# Altium PCB PCB_EPS_2.PcbDoc (part 1 of 3) (continued)
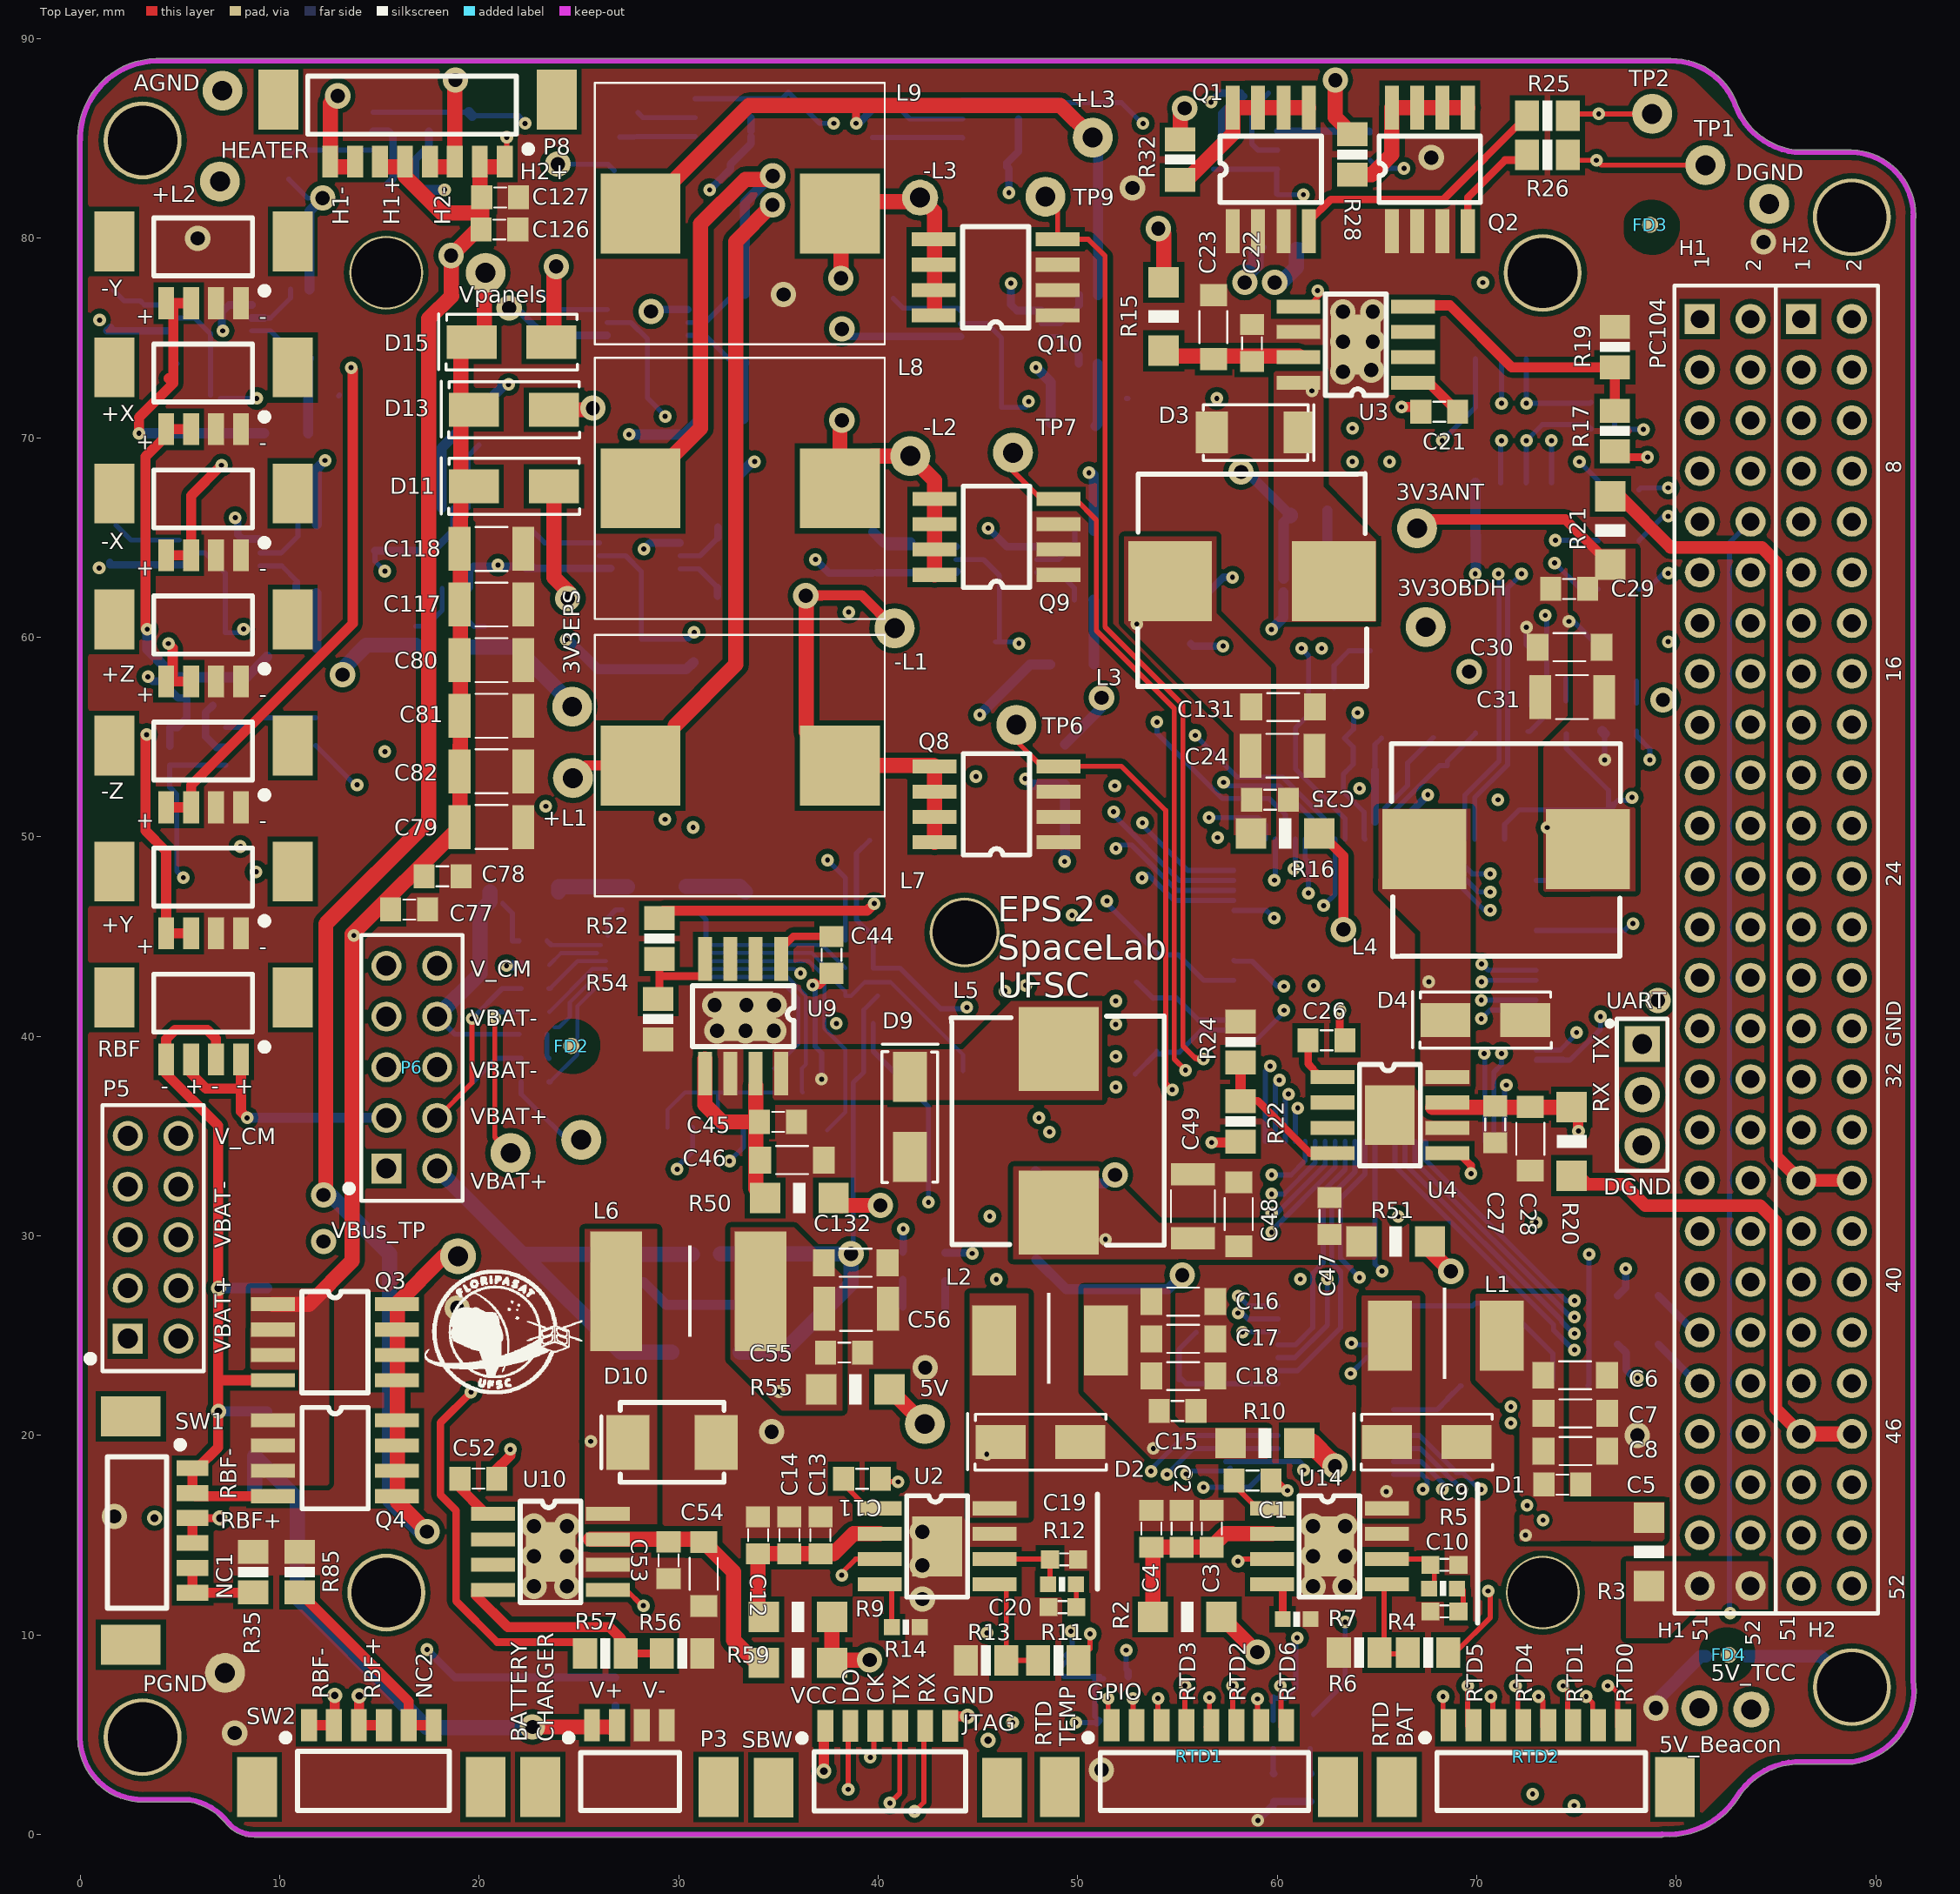
[diagram p0: Top Layer view]
## Components (designator, comment, footprint, x,y, rotation, side; value= is the part's Value field where it differs from the comment) (continued)
R42 "150R" 0603 39.274,39.256 r0 bottom
R43 "1k" 0603 22.795,43.568 r0 bottom
R44 "150R" 0603 39.274,43.426 r0 bottom
R45 "300K" 0603 64.666,84.593 r270 bottom
R46 "0R" 1206 35.046,47.236 r0 bottom
R47 "0R" 1206 22.256,47.236 r0 bottom
R50 "0R" 1206 36.046,31.896 r0 top
R51 "0R" 1206 65.936,29.726 r180 top
R52 "10k" 0805 29.026,44.906 r90 top
R53 "DNP" 0603 43.354,28.452 r90 bottom
R54 "5K9" 0805 28.966,40.866 r90 top
R55 "0R" 1206 38.856,22.306 r180 top
R56 "0R" 1206 35.966,8.606 r0 top
R57 "10k" 0805 26.316,9.076 r180 top
R58 "DNP" 0603 41.226,28.503 r270 bottom
R59 "3.24k 1/8W" 0805 30.166,9.076 r180 top
R60 "1k" 0603 78.076,55.876 r270 bottom
R61 "DNP" 0603 74.479,55.876 r270 bottom
R62 "47k" 0603 51.826,7.916 r0 bottom
R63 "4K7" 0603 39.274,40.646 r0 bottom
R64 "4K7" 0603 39.274,44.816 r0 bottom
R65 "DNP" 0603 76.209,70.45 r180 bottom
R66 "DNP" 0603 76.209,71.774 r180 bottom
R67 "3k3" 0805 5.666,73.496 r0 bottom
R68 "3k3" 0805 6.296,61.506 r0 bottom
R69 "93K1" 0603 10.446,83.656 r270 bottom
R70 "300K" 0603 11.805,55.27 r270 bottom
R71 "100K" 0603 11.761,84.936 r270 bottom
R72 "3k3" 0805 27.356,73.236 r0 bottom
R73 "100K" 0603 10.48,55.27 r90 bottom
R74 "93K1" 0603 26.766,84.096 r270 bottom
R75 "3k3" 0805 26.976,61.266 r0 bottom
R76 "100K" 0603 27.946,85.606 r270 bottom
R79 "3k3" 0805 45.156,73.326 r0 bottom
R81 "93K1" 0603 39.707,85.755 r90 bottom
R82 "100K" 0603 41.102,85.755 r270 bottom
R83 "3k3" 0805 45.056,61.476 r0 bottom
R85 "100K 1/10W" 0805 10.99,13.154 r90 top
R86 "100K" 0603 63.341,84.593 r90 bottom
R87 "0R" 0805 78.076,27.008 r180 bottom
R88 "0R" 0805 78.076,24.568 r180 bottom
R89 "0R" 0805 77.107,67.4 r180 bottom
R90 "0R" 0805 77.107,64.85 r180 bottom
R91 "0R" 0805 77.107,62.41 r180 bottom
R93 "0R" 1206 31.36,24.17 r0 bottom
R_ESD "1.2M" 0805 82.49,8.93 r0 bottom
RBF "Header 4_PicoBlade" "HDR4 PicoBlade" 8.056,38.846 r180 top
RSense1 "0.01R/0.5W" "1206 - ohmite" 28.886,46.816 r0 bottom
Rsense3 "0.075R/0.5W" "1206 - ohmite" 18.51,60.09 r0 bottom
RTD1 "Header 8_PicoBlade" "HDR8 PicoBlade" 51.696,5.475 r0 top
RTD2 "Header 8_PicoBlade" "HDR8 PicoBlade" 68.576,5.475 r0 top
SBW "Header 6H_PicoBlade" "HDR6 PicoBlade" 37.35,5.45 r0 top
SW1 "Header 6H_PicoBlade" "HDR6 PicoBlade" 5.63,18.36 r270 top
SW2 "Header 6H_PicoBlade" "HDR6 PicoBlade" 11.466,5.475 r0 top
SYSTEM_ON "RED" 0603-LED 78.066,58.696 r90 bottom
TP1 "TEST_POINT" TEST_POINT#1 81.456,83.666 r0 top
TP2 "TEST_POINT" TEST_POINT#1 78.786,86.236 r0 top
TP6 "TEST_POINT" TEST_POINT#1 46.916,55.616 r0 top
TP7 "TEST_POINT" TEST_POINT#1 46.746,69.256 r0 top
TP9 "TEST_POINT" TEST_POINT#1 48.376,82.086 r0 top
U2 "TPS54540QDDARQ1" "SO8 Power PAD" 40.076,16.346 r0 top
U3 "TPS5410QDRQ1" "SO8 Power PAD" 66.806,72.766 r180 top
U4 "TPS5420QDRQ1" "SO8 Power PAD" 62.767,37.956 r0 top
U5 "ADS1248IPW" TSSOP28 65.836,26.496 r180 bottom
U6 "FDS6898AZ" SOIC8 29.426,35.426 r270 bottom
U7 "DS2775G+" TDFN-14-EP_3x5 26.346,42.576 r0 bottom
U9 "TPS5420QDRQ1" "SO8 Power PAD" 35.126,43.886 r270 top
U10 "TPS5430QDDARQ1" "SO8 Power PAD" 20.696,16.066 r0 top
U12 "MSP430F6659IPZR" PZ0100A_N 65.396,42.316 r270 bottom value=Value
U13 "REF5025AQDRQ1" SOIC-8 60.936,59.866 r270 bottom
U14 "TPS54540QDDARQ1" "SO8 Power PAD" 59.736,16.346 r0 top
U15 "MAX9934TAUA+" MSOP-8 6.57,76.334 r0 bottom
U16 "MAX9934TAUA+" MSOP-8 6.982,64.554 r0 bottom
U17 "TLV341AIDBVR" "SOT-23 6L" 16.076,85.366 r90 bottom
U18 "MAX9934TAUA+" MSOP-8 28.43,76.104 r0 bottom
U19 "TLV341AIDBVR" "SOT-23 6L" 5.886,54.486 r270 bottom
U20 "MAX9934TAUA+" MSOP-8 28.04,64.414 r0 bottom
U21 "TLV341AIDBVR" "SOT-23 6L" 32.216,86.047 r90 bottom
U22 "MAX9934TAUA+" MSOP-8 46.141,76.051 r0 bottom
U24 "TLV341AIDBVR" "SOT-23 6L" 45.627,85.98 r90 bottom
U25 "MAX9934TAUA+" MSOP-8 45.921,64.221 r0 bottom
U26 "TLV341AIDBVR" "SOT-23 6L" 58.616,84.416 r270 bottom
U27 "MAX9934TAUA+" MSOP-8 19.116,64.466 r270 bottom
U28 "TCA4311ADR" SOIC8 69.927,73.955 r270 bottom
UART "DNP" "HDR 1X3" 78.286,39.616 r270 top
VBus "DNP" 0603-LED 26.834,4.476 r270 bottom
VBus_TP "TEST_POINT" TEST_POINT#2 18.93,28.986 r90 top
Vpanels "TEST_POINT" TEST_POINT#1 20.316,78.266 r90 top
Y1 "32MHz 10ppm" XTAL_ABM8X 53.886,40.586 r135 bottom
Y2 "32.768kHz 12.5pF" "ABS06 0805" 67.526,53.576 r0 bottom

## Footprints (in the part's own frame and the unit in brackets; to place one, negate y for a bottom-side part, rotate by r counter-clockwise, add the part's x,y. Pads: shape width x height; smd on the part's side, far side on the other; paste and mask are expansions set on the pad)
0603 [mm]
  rect 0.8x0.8 smd: 1(-0.699,0) 2(0.699,0)
  silkscreen extent -0.17,-0.38 0.16,0.38, body extent -1,-0.39 1,0.39, height 0.79
0603-LED [mil]
  rect 30x30 smd: 1(-27.5,0)
  rect 31.5x31.5 smd: 2(27.5,0)
  silkscreen extent -5,-14 6,14, body extent -32,-16 32,16, height 43
0805 [mil]
  rect 47.24x60 smd: 1(-40,0) 2(40,0)
  silkscreen extent -10,-30 10,30, body extent -50,-24 49,25, height 31
1206 [mil]
  rect 60x60 smd: 1(-67.5,0) 2(67.5,0)
  silkscreen extent -12,-30 13,30, body extent -79,-31 78,32, height 60
"1206 - ohmite" [mm]
  rect 1.5x0.57 smd: 1(-1.725,0.475) 2(1.725,0.5) 3(-1.725,-0.475) 4(1.725,-0.45)
  silkscreen extent -0.32,-0.76 0.32,0.76, body extent -2.01,-0.8 1.99,0.8, height 1.53
"ABS06 0805" [mm]
  rect 1x1.3 smd: 1(-1,0) 2(1,0)
  silkscreen extent -1.7,-0.85 1.7,0.85, body extent -1,-0.6 1,0.62, height 0.6
B3U-1000P [mm]
  rrect50% 1.4x1.7 smd: 1(0,0) 2(3.9,0)
  silkscreen extent -0.25,-1.2 4.38,1.28, body extent 0.05,-1.27 4.05,1.23, height 1.6
CC0603 [mm] "TDK mlccspec_commercial_general_midvoltage_en.pdf"
  rect 0.9x0.9 smd: 1(-0.7,0) 2(0.7,0)
  silkscreen extent -0.2,-0.3 0.2,0.3, body extent -1,-0.39 1,0.39, height 0.78
CC0805 [mm] "TDK mlccspec_commercial_general_midvoltage_en.pdf"
  rect 1.05x1.2 smd: 1(-0.925,0) 2(0.925,0)
  silkscreen extent -0.3,-0.5 0.3,0.5, body extent -1.25,-0.62 1.25,0.62, height 0.78
CC0805_Tantalum [mm] "TDK mlccspec_commercial_general_midvoltage_en.pdf"
  rect 1.2x1.2 smd: 1(-0.93,0) 2(0.93,0)
  silkscreen extent -1.73,-0.7 0.18,0.67, body extent -1.04,-0.59 1.21,0.76, height 1.35
CC1206 [mm] "TDK mlccspec_commercial_general_midvoltage_en.pdf"
  rect 1.1x1.35 smd: 1(-1.6,0) 2(1.6,0)
  silkscreen extent -0.8,-0.7 0.8,0.7, body extent -2,-0.8 2,0.8, height 1.51
cc1210 [mm] "TDK mlccspec_commercial_general_midvoltage_en.pdf"
  rect 1.1x2.2 smd: 1(-1.6,0) 2(1.6,0)
  silkscreen extent -0.8,-1.1 0.8,1.1, body extent -2,-1.24 2,1.24, height 1.69
CC1210 [mm] "TDK mlccspec_commercial_general_midvoltage_en.pdf"
  rect 1.1x2.2 smd: 1(-1.6,0) 2(1.6,0)
  silkscreen extent -0.8,-1.1 0.8,1.1, body extent -2,-1.24 2,1.24, height 1.69
cms06 [mm]
  rect 1.6x2.1 smd: 1(-2.2,0) 2(2.2,0)
  silkscreen extent -2.92,-1.4 2.62,1.4, body extent -2.35,-1.2 2.35,1.2, height 0.97
DO-214AA [mm]
  rect 2.159x2.743 smd: 1(-2.21,0) 2(2.21,0)
  silkscreen extent -3.56,-2 2.6,2, body extent -2.78,-1.9 2.72,2, height 2.45
DO-214AC [mm]
  rect 2.5x1.7 smd: 1(-2,0) 2(2,0)
  silkscreen extent -3.65,-1.4 3.3,1.43, body extent -2.62,-1.37 2.88,1.43, height 2.6
FEDU_0,8-TOP [mil]
  round 32 smd: 1(0,0)
"HDR4 PicoBlade" [mm]
  rect 2x3 smd: 0(-2.6,-3.1) 0(6.35,-3.1)
  rect 0.8x1.6 smd: 1(0,0) 2(1.25,0) 3(2.5,0) 4(3.75,0)
  silkscreen extent -1.26,-4.28 4.37,-0.54, body extent -3.15,-4.43 7,-0.23, height 4.7
"HDR6 PicoBlade" [mm]
  rect 2x3 smd: 0(-2.6,-3.1) 0(8.85,-3.1)
  rect 0.8x1.6 smd: 1(0,0) 2(1.25,0) 3(2.5,0) 4(3.75,0) 5(5,0) 6(6.25,0)
  silkscreen extent -1.26,-4.28 7.02,-0.54, body extent -3.12,-4.33 9.52,-0.13, height 4.7
"HDR8 PicoBlade" [mm]
  rect 2x3 smd: 0(-2.6,-3.1) 0(11.35,-3.1)
  rect 0.8x1.6 smd: 1(0,0) 2(1.25,0) 3(2.5,0) 4(3.75,0) 5(5,0) 6(6.25,0) 7(7.5,0) 8(8.75,0)
  silkscreen extent -1.26,-4.28 9.88,-0.54, body extent -3.23,-4.4 11.92,-0.2, height 4.7
"HDR 1X3" [mil]
  rect 70x70 hole 39: 1(0,0)
  round 70 hole 39: 2(100,0) 3(200,0)
  silkscreen extent -50,-69 250,50, body extent -50,-50 250,50, height 330
IND0805 [mm]
  rect 0.8x1.05 smd: 1(-0.925,0) 2(0.925,0)
  silkscreen extent -0.3,-0.5 0.3,0.5, body extent -1,-0.6 1,0.6, height 0.95
IND1210 [mm]
  rect 1.1x2.2 smd: 1(-1.6,0) 2(1.6,0)
  silkscreen extent -0.8,-1.1 0.8,1.1, body extent -1.6,-1.25 1.6,1.25, height 1.35
IND_744325xxx [mm]
  rect 4x4.2 smd paste+0: 1(0,0)
  rect 4x4.2 smd: 2(0,8.2)
  silkscreen extent -5.28,-1.65 5.38,9.83, body extent -5.08,-1.33 5.43,9.67, height 4.72
IND_HC9 [mm]
  rect 4x4 smd paste+0: 1(0,0)
  rect 4x4 smd: 2(0,10)
  silkscreen extent -6.55,-2.29 6.55,12.24, body extent -6.22,-1.27 6.28,11.23, height 6.29
Ind_IHLP [mm]
  rect 2.6x6 smd: 1(0,0) 2(7.239,0)
  silkscreen extent 3.6,-2.27 3.78,2.3, body extent 0,-3.27 6.8,3.52, height 3.1
Ind_SRP6540 [mm]
  rect 2.2x3.5 smd: 1(0,0) 2(5.6,0)
  silkscreen extent 2.65,-2.17 2.83,2.4, body extent -0.58,-3.4 6.22,3.4, height 3.1
IPS1-105-01-S-D [mm] "10 Positions Header, Shrouded Connector 0.100\" (2.54mm) Through Hole Gold"
  rect 1.5x1.5 hole 1: 1(0,0)
  round 1.5 hole 1: 2(0,-2.54) 3(2.54,0) 4(2.54,-2.54) 5(5.08,0) 6(5.08,-2.54) 7(7.62,0) 8(7.62,-2.54) 9(10.16,0) 10(10.16,-2.54)
  silkscreen extent -1.63,-3.81 11.7,2.03, body extent -1.44,-3.73 11.64,1.23, height 2.54
MSOP-8 [mm] "8-Lead Mini Small Outline Package [MSOP] (RM-8)"
  rect 1.5x0.45 smd: 1(-2.025,0.975) 2(-2.025,0.325) 3(-2.025,-0.325) 4(-2.025,-0.975) 5(2.025,-0.975) 6(2.025,-0.325) 7(2.025,0.325) 8(2.025,0.975)
  silkscreen extent -2.15,-1.6 0.87,1.87, body extent -2.46,-1.5 2.46,1.5, height 1.1
PC104 [mm] "Connector; Header; 26x4 Position"
  rect 1.5x1.5 hole 0.9: H1-1(63.5,7.7) H2-1(63.5,2.625)
  round 1.5 hole 0.9: H1-2(63.5,5.16) H1-3(60.96,7.7) H1-4(60.96,5.16) H1-5(58.42,7.7) H1-6(58.42,5.16) H1-7(55.88,7.7) H1-8(55.88,5.16) H1-9(53.34,7.7) H1-10(53.34,5.16) H1-11(50.8,7.7) H1-12(50.8,5.16) H1-13(48.26,7.7) H1-14(48.26,5.16) H1-15(45.72,7.7) H1-16(45.72,5.16) H1-17(43.155,7.7) H1-18(43.18,5.16) H1-19(40.64,7.7) H1-20(40.64,5.16) H1-21(38.1,7.7) H1-22(38.1,5.16) H1-23(35.56,7.7) H1-24(35.56,5.16) H1-25(33.02,7.7) H1-26(33.02,5.16) H1-27(30.48,7.7) H1-28(30.48,5.16) H1-29(27.94,7.7) H1-30(27.94,5.16) H1-31(25.4,7.7) H1-32(25.4,5.16) H1-33(22.86,7.7) H1-34(22.86,5.16) H1-35(20.32,7.7) H1-36(20.32,5.16) H1-37(17.78,7.7) H1-38(17.78,5.16) H1-39(15.24,7.7) H1-40(15.24,5.16) H1-41(12.7,7.7) H1-42(12.7,5.16) H1-43(10.16,7.7) H1-44(10.16,5.16) H1-45(7.62,7.7) H1-46(7.62,5.16) H1-47(5.08,7.7) H1-48(5.08,5.16) H1-49(2.54,7.7) H1-50(2.54,5.16) H1-51(0,7.7) H1-52(0,5.16) H2-2(63.5,0.08) H2-3(60.96,2.62) H2-4(60.96,0.08) H2-5(58.42,2.62) H2-6(58.42,0.08) H2-7(55.88,2.62) H2-8(55.88,0.08) H2-9(53.34,2.625) H2-10(53.34,0.08) H2-11(50.8,2.625) H2-12(50.8,0.08) H2-13(48.26,2.62) H2-14(48.26,0.08) H2-15(45.72,2.62) H2-16(45.72,0.08) H2-17(43.155,2.62) H2-18(43.18,0.08) H2-19(40.64,2.62) H2-20(40.64,0.08) H2-21(38.1,2.62) H2-22(38.1,0.08) H2-23(35.56,2.62) H2-24(35.56,0.08) H2-25(33.02,2.62) H2-26(33.02,0.08) H2-27(30.48,2.62) H2-28(30.48,0.08) H2-29(27.94,2.62) H2-30(27.94,0.08) H2-31(25.4,2.62) H2-32(25.4,0.08) H2-33(22.86,2.62) H2-34(22.86,0.08) H2-35(20.32,2.62) H2-36(20.32,0.08) H2-37(17.78,2.62) H2-38(17.78,0.08) H2-39(15.24,2.62) H2-40(15.24,0.08) H2-41(12.7,2.62) H2-42(12.7,0.08) H2-43(10.16,2.62) H2-44(10.16,0.08) H2-45(7.62,2.62) H2-46(7.62,0.08) H2-47(5.08,2.62) H2-48(5.08,0.08) H2-49(2.54,2.62) H2-50(2.54,0.08) H2-51(0,2.62) H2-52(0,0.08)
  silkscreen extent -1.37,-1.22 65.17,8.97, body extent -1.47,-1.06 65.1,8.92, height 13.51
PZ0100A_N [mm]
  oval 1.75x0.3 smd paste-0.102 mask+0.051: 1(-7.575,6) 2(-7.575,5.5) 3(-7.575,5) 4(-7.575,4.5) 5(-7.575,4) 6(-7.575,3.5) 7(-7.575,3) 8(-7.575,2.5) 9(-7.575,2) 10(-7.575,1.5) 11(-7.575,1) 12(-7.575,0.5) 13(-7.575,0) 14(-7.575,-0.5) 15(-7.575,-1) 16(-7.575,-1.5) 17(-7.575,-2) 18(-7.575,-2.5) 19(-7.575,-3) 20(-7.575,-3.5) 21(-7.575,-4) 22(-7.575,-4.5) 23(-7.575,-5) 24(-7.575,-5.5) 25(-7.575,-6) 51(7.575,-6) 52(7.575,-5.5) 53(7.575,-5) 54(7.575,-4.5) 55(7.575,-4) 56(7.575,-3.5) 57(7.575,-3) 58(7.575,-2.5) 59(7.575,-2) 60(7.575,-1.5) 61(7.575,-1) 62(7.575,-0.5) 63(7.575,0) 64(7.575,0.5) 65(7.575,1) 66(7.575,1.5) 67(7.575,2) 68(7.575,2.5) 69(7.575,3) 70(7.575,3.5) 71(7.575,4) 72(7.575,4.5) 73(7.575,5) 74(7.575,5.5) 75(7.575,6)
  oval 0.3x1.75 smd paste-0.102 mask+0.051: 26(-6,-7.575) 27(-5.5,-7.575) 28(-5,-7.575) 29(-4.5,-7.575) 30(-4,-7.575) 31(-3.5,-7.575) 32(-3,-7.575) 33(-2.5,-7.575) 34(-2,-7.575) 35(-1.5,-7.575) 36(-1,-7.575) 37(-0.5,-7.575) 38(0,-7.575) 39(0.5,-7.575) 40(1,-7.575) 41(1.5,-7.575) 42(2,-7.575) 43(2.5,-7.575) 44(3,-7.575) 45(3.5,-7.575) 46(4,-7.575) 47(4.5,-7.575) 48(5,-7.575) 49(5.5,-7.575) 50(6,-7.575) 76(6,7.575) 77(5.5,7.575) 78(5,7.575) 79(4.5,7.575) 80(4,7.575) 81(3.5,7.575) 82(3,7.575) 83(2.5,7.575) 84(2,7.575) 85(1.5,7.575) 86(1,7.575) 87(0.5,7.575) 88(0,7.575) 89(-0.5,7.575) 90(-1,7.575) 91(-1.5,7.575) 92(-2,7.575) 93(-2.5,7.575) 94(-3,7.575) 95(-3.5,7.575) 96(-4,7.575) 97(-4.5,7.575) 98(-5,7.575) 99(-5.5,7.575) 100(-6,7.575)
  silkscreen extent -7.7,-6.3 6.3,6.82, body extent -8.1,-8.1 8.05,8.05, height 1.62
"SO8 Power PAD" [mm]
  rect 2.2x0.7 smd: 1(0,0) 2(0,-1.27) 3(0,-2.54) 4(0,-3.81) 5(5.75,-3.81) 6(5.75,-2.54) 7(5.75,-1.27) 8(5.75,0)
  rect 2.49x3 smd: 9(2.875,-1.905)
  silkscreen extent 1.35,-4.44 4.4,0.64, body extent -0.13,-4.4 5.87,0.6, height 1.7
SOD323F [mm]
  rect 0.63x0.9 smd mask+0.05: 1(-1.15,0)
  rect 0.63x0.89 smd mask+0.05: 2(1.05,0)
  silkscreen extent -1.15,-0.8 1.1,0.8, body extent -1.45,-0.67 1.35,0.68, height 0.75
SOIC8 [mm]
  rect 2.2x0.7 smd: 1(0,0) 2(0,-1.27) 3(0,-2.54) 4(0,-3.81) 5(6.205,-3.81) 6(6.205,-2.54) 7(6.205,-1.27) 8(6.205,0)
  silkscreen extent 1.45,-4.45 4.77,0.63, body extent 0.1,-4.4 6.1,0.6, height 1.7
SOIC8_Mosfet [mm]
  rect 2.2x0.7 smd: 1(0,0) 1(0,-1.27) 1(0,-2.54) 2(0,-3.81) 3(6.205,-3.81) 3(6.205,-2.54) 3(6.205,-1.27) 3(6.205,0)
  silkscreen extent 1.45,-4.44 4.77,0.64, body extent 0.1,-4.4 6.1,0.6, height 1.7
SOIC-8 [mm] "SOIC, 8-Leads, Body 4,89x3,90mm, Pitch 1,27mm, IPC Medium Density"
  oval 2.2x0.6 smd: 1(-2.4,1.905) 2(-2.4,0.635) 3(-2.4,-0.635) 4(-2.4,-1.905) 5(2.4,-1.905) 6(2.4,-0.635) 7(2.4,0.635) 8(2.4,1.905)
  silkscreen extent -2.52,-2.5 0.9,2.88, body extent -3,-2.45 3,2.45, height 1.75
"SOT-23 6L" [mm]
  rect 0.508x1.27 smd: 1(-0.95,-1.4) 2(0,-1.4) 3(0.95,-1.4) 4(0.95,1.4) 5(0,1.4) 6(-0.95,1.4)
  silkscreen extent -1.88,-1.13 1.46,0.51, body extent -1.5,-1.4 1.5,1.4, height 0.86
TDFN-14-EP_3x5 [mm]
  rect 0.9x0.2 smd: 1(0,0) 2(0,-0.4) 3(0,-0.8) 4(0,-1.2) 6(0,-2) 7(0,-2.4) 8(4.9,-2.4) 9(4.9,-2) 10(4.9,-1.6) 11(4.9,-1.2) 12(4.9,-0.8) 13(4.9,-0.4) 14(4.9,0)
  rect 0.9x0.2 smd paste+0: 5(0,-1.6)
  rect 3.2x2.4 smd: 15(2.425,-1.2)
  silkscreen extent -1.02,-2.7 5.53,0.7, body extent -0.17,-2.67 5.03,0.33, height 0.8
TEST_POINT#1 [mm]
  round 2 hole 1: 1(0,0)
TEST_POINT#2 [mm]
  round 1.8 hole 1: 1(0,0)
TSSOP28 [mm]
  rect 1.55x0.3 smd: 1(0,0) 2(0,-0.65) 3(0,-1.3) 4(0,-1.95) 5(0,-2.6) 6(0,-3.25) 7(0,-3.9) 8(0,-4.55) 9(0,-5.2) 10(0,-5.85) 11(0,-6.5) 12(0,-7.15) 13(0,-7.8) 14(0,-8.45) 15(5.8,-8.45) 16(5.8,-7.8) 17(5.8,-7.15) 18(5.8,-6.5) 19(5.8,-5.85) 20(5.8,-5.2) 21(5.8,-4.55) 22(5.8,-3.9) 23(5.8,-3.25) 24(5.8,-2.6) 25(5.8,-1.95) 26(5.8,-1.3) 27(5.8,-0.65) 28(5.8,0)
  silkscreen extent 0.61,-9.13 4.29,1.06, body extent -0.3,-9.07 6.1,0.63, height 1.02
XTAL_ABM8X [mm]
  rect 1x1 smd: 1(-1,-0.9) 2(1,-0.85) 3(1,0.85) 4(-1,0.85)
  silkscreen extent -1.93,-1.73 1.75,1.42, body extent -1.6,-1.22 1.6,1.28, height 0.6

## Part data
3V3_ANT 3V3_EPS 3V3_MCU 3V3_OBDH 5_V 5V_BEACON_LED 5V_MAIN_RADIO_LED VBus: library part LED/G_0603, "SMD Green LED", Partnumber=150060VS75000, NCM=8541.40.21
3V3ANT 3V3EPS 3V3OBDH 5V 5V_Beacon 5V_TCC +L1 +L2 +L3 -L1 -L2 -L3 CC DC TP1 TP2 TP6 TP7 TP9 VBus_TP Vpanels: "Test point"
+X +Y +Z -X -Y -Z P3 RBF: "Header, 4-Pin", Partnumber=53398-0471, LatestRevisionDate=17-Jul-2002, LatestRevisionNote="Re-released for DXP Platform.", Publisher="Altium Limited"
+X_CSR +Y_CSR +Z_CSR -X_CSR -Y_CSR -Z_CSR: library part R0.05R_0.5%_0.5W_1206, "Current Sense Resistors - SMD 0.05ohm .5% 4 Terminal", Partnumber=LVK12R050DER, NCM=8533.21.20
C1 C2 C5 C11 C12 C15 C22 C25 C27 C29 C45 C47 C53 C55 C126 C127: library part Cap_Cer_X7R_0.1uF_50V_0805, "CAP CER 0.1UF 50V 10% X7R 0805", Partnumber=CC0805KRX7R9BB104
C3 C4 C13 C14 C102 C103 C104 C105 C106 C107: library part Cap_Cer_X7R_4.7uF_25V_0805, "CAP CER 4.7uF 25V 10% X7R 0805", Partnumber=CC0805KKX7R8BB475, NCM=8532.24.10
C6 C7 C8 C16 C17 C18 C30 C48 C131 C132: library part Cap_Cer_X7R_22uF_10V_1206, "CAP CER 22uF 10V 10% X7R 1206", Partnumber=GRM31CR71A226KE15L, NCM=8532.24.10
C9 C19: library part Cap_Cer_C0G_13pF_50V_0603, "CAP CER 13PF 50V 0603 NP0", Partnumber=C0603C130J5GAC7867, NCM=8532.24.10
C10 C20: library part Cap_Cer_C0G_5.6nF_100V_0603, "CAP CER 5.6nF 100V 0603", Partnumber=C1608C0G2A562J080AE, NCM=8532.24.10
C21 C26 C32 C34 C44 C52: library part Cap_Cer_X7R_0.01uF_50V_0805, "CAP CER 0.01uF 50V 10% X7R 0805", Partnumber=08055C103KAT4A, NCM=8532.24.10
C23 C28 C46 C54: library part Cap_Cer_X7R_10uF_25V_1206, "CAP CER 10uF 25V 10% X7R 1206", Partnumber=GRM31CR71E106KA12L, NCM=8532.24.10
C24 C31 C49 C56: library part Cap_Tant_SMD_220uF_6.3V_1210, "CAP Tantalum 220uF 6.3V 20% 1210", Partnumber=6TPE220MAZB, NCM=8532.21.11
C33 C35 C60 C61 C64 C123 C125: library part Cap_Tant_SMD_10uF_6V3_0805, "CAP Tantalum 10uF 6.3V 10% 0805", Partnumber=TPSR106K006R1000, NCM=8532.21.11
C36 C50 C51 C79 C80 C81 C82 C117 C118: library part Cap_Cer_X7R_22uF_25V_1210, "CAP CER 22uF 25V 10% X7R 1210", Partnumber=GRM32ER71E226KE15L
C37 C38: library part Cap_Cer_X7R_1000pF_50V_0603, "CAP CER 1000pF 50V 10% X7R 0603", Partnumber=CC0603KRX7R9BB102, NCM=8532.24.10
C39 C65: library part Cap_Cer_X7R_0.47uF_50V_0603, "CAP CER 0.47UF 50V 10% X7R 0603", Partnumber=C1608X7R1H474K080AE, NCM=8532.24.10
C40 C41 C58 C59 C63 C71 C72 C73 C74 C75 C76 C83 C84 C85 C86 C87 C88 C89 C90 C91 C93 C94 C97 C98 C99 C100 C101 C108 C109 C110 C111 C112 C113 C114 C115 C116 C119 C120 C121 C122 C124 C128 C129 C133: library part Cap_Cer_X7R_0.1uF_50V_0603, "CAP CER 0.1UF 50V 10% X7R 0603", Partnumber=CC0603KPX7R9BB104
C57: library part Cap_Cer_X7R_1nF_16V_0603, "CAP CER 1nF 16V 0603 5%", Partnumber=C0603X102J4RECAUTO, NCM=8532.24.10
C62 C77 C78: library part Cap_Cer_X7R_0.1uF_25V_0805, "CAP CER 0.1UF 50V 10% X7R 0805", Partnumber=GRM188R71H104KA93D, NCM=8532.24.10
C66: library part Cap_Cer_X7R_0.01uF_25V_0603, "CAP CER 0.01UF 25V 5% X7R 0603", Partnumber=06033C103JAT4A, NCM=8532.24.10
C67 C69: library part Cap_Cer_X7R_12pF_50V_0603, "CAP CER 12pF 50V 0603", Partnumber=GQM1885C1H120GB01D, NCM=8532.24.10
C68 C70: library part Cap_Cer_X7R_10pF_100V_0805, "CAP CER 10pF 100V 0805", Partnumber=08051A100FAT2A, NCM=8532.24.10
C130: library part Cap_Cer_X7R_4.7uF_25V_0805, "CAP CER 4.7uF 25V 10% X7R 0805", Partnumber=GRM21BR71E475KA73L, NCM=8532.24.10
D1 D2: library part DIODE_SCHOTTKY_30V_5A_RB080L-30TE25, "DIODE SCHOTTKY 30V 5A DO-214AA", NCM=8541.10.29, Partnumber=FSV530AF
D3: library part "DIODE_SCHOTTKY_30V_2A_  CMS06(TE12L,Q,M)", "DIODE SCHOTTKY 30V 2A   CMS06(TE12L,Q,M)", NCM=8541.10.29, Partnumber=CMS06(TE12L,Q,M)
D4 D9 D11 D13 D15: library part DIODE_SCHOTTKY_40V_3A_B340LA-13-F, "DIODE SCHOTTKY 40V 3A B340LA-13-F", NCM=8541.10.29, Partnumber=B340LA-13-F
D5 D6: library part DIODE_ZENER_5.6V_3SMAJ5919B, "DIODE ZENER 5.6V 3W DO214AC", NCM=8541.10.29, Partnumber=3SMAJ5919B-TP
D8: library part DIODE_SCHOTTKY_23V_1A_NSVR0320MW2T1G, "DIODE SCHOTTKY 23V 1A SOD323F", NCM=8541.10.29, Partnumber=NSVR0320MW2T1G
D10: library part DIODE_SCHOTTKY_20V_2A_MB220-13-F, "DIODE SCHOTTKY 20V 2A B220-13-F", NCM=8541.10.29, Partnumber=B220-13-F
D17 D18 D19 D20 D21 D22: library part DIODE_SCHOTTKY_23V_1A_NSVR0320MW2T1G, "DIODE SCHOTTKY 23V 1A SOD323F", Partnumber=NSVR0320MW2T1G, NCM=8541.10.29
FB1: library part FB_30R_3A_100MHz_0805, "Ferrite Bead 30 OHM 3A 100MHz", Partnumber=BLM21PG300SN1D, NCM=8504.50.00
FB3 FB4: library part FB_30R_10A_100MHz_1210, "Ferrite Bead 30 OHM 10A 100MHz", Partnumber=BLE32PN300SN1L, NCM=8504.50.00
J_V1 J_V3 J_V4 J_V5 J_V6 R28 R32 R87 R88 R89 R90 R91: library part R0R_JUMPER_1/8W_0805, "RES 0R OHM 1/8W JUMPER 0805", Partnumber=CRCW08050000Z0EA
L1 L2: library part IND_POWER_2.2uH_9A_15mR, "INDUCTOR 2.2UH 9A SMD", Partnumber=SRP6540-2R2M, NCM=8504.50.00
L3: library part IND_POWER_27uH_4.3A_42.5mR, "INDUCTOR 27UH 4.3A SMD", Partnumber=7447798271, NCM=8504.50.00
L4 L5: library part IND_POWER_16uH_5A_35.5mR, "INDUCTOR 16UH 5A SMD", Partnumber=7443251600, NCM=8504.50.00
L6: library part IND_POWER_10uH_6.4A_51.8mR, "INDUCTOR 2.2UH 6.4A SMD", Partnumber=IHLP3232DZER100M11, NCM=8504.50.00
L7 L8 L9: library part IND_POWER_22uH_6.3A_25.7mR, "HC9 Series - 22uH / 6.3A / 25.7mOHM", Partnumber=HC9-220-R, NCM=8504.50.00
P5 P6: library part "Header 5X2H_IPS1-105-01-S-D-VS", "10 Position Receptacle Connector 0.100\" (2.54mm)", Partnumber=IPS1-105-01-S-D, LatestRevisionDate=17-Jul-2002, LatestRevisionNote="Re-released for DXP Platform.", Publisher="Altium Limited"
P8 RTD1 RTD2: "Header, 8-Pin", Partnumber=53261-0871, LatestRevisionDate=17-Jul-2002, LatestRevisionNote="Re-released for DXP Platform.", Publisher="Altium Limited"
P11: library part Tactile_Switches_B3U-1000P, "Tactile Switch SPST-NO Top Actuated Surface Mount 12V 0.05A", Manufacturer="TE Connectivity", Partnumber=B3U-1000P
PC104: Partnumber=SSW-126-01-G-D
Q1 Q2: library part MOSFET-N_30V_Si4010DY, "MOSFET N-Channel 30V", Partnumber=SI4010DY-T1-GE3, LatestRevisionDate=17-Jul-2002, LatestRevisionNote="Re-released for DXP Platform.", PackageDescription="TO, Flat Index; 3 In-Line, Axial Leads; Body Dia. 4.6mm; Lead Dia. 0.5 mm (max)", PackageReference=E3, PackageVersion=1995/1996, Published=8-Jun-2000, Publisher="Altium Limited"
Q3 Q4 Q5 Q6: library part "MOSFET-P- SI4403CDY-T1-GE3", "MOSFET 1.8V P-Channel 20 V, 0.0155 ? typ., 13.4 A", Partnumber=SI4403CDY-T1-GE3, LatestRevisionDate=17-Jul-2002, LatestRevisionNote="Re-released for DXP Platform.", PackageDescription="TO, Flat Index; 3 In-Line, Axial Leads; Body Dia. 4.6mm; Lead Dia. 0.5 mm (max)", PackageReference=E3, PackageVersion=1995/1996, Published=8-Jun-2000, Publisher="Altium Limited"
Q8 Q9 Q10: library part MOSFET-N_30V_SI4166DY, "MOSFET N-Channel 30V Vds 20V Vgs SO-8", Partnumber=SI4166DY-T1-GE3, LatestRevisionDate=17-Jul-2002, LatestRevisionNote="Re-released for DXP Platform.", PackageDescription="TO, Flat Index; 3 In-Line, Axial Leads; Body Dia. 4.6mm; Lead Dia. 0.5 mm (max)", PackageReference=E3, PackageVersion=1995/1996, Published=8-Jun-2000, Publisher="Altium Limited"
R1 R8 R18 R23 R31 R34 R37 R39 R40 R43 R53 R58 R60 R61: library part R1.0k_1%_1/8W_0603, "RES 1.0K OHM 1/8W 1% 0603", Partnumber=MCT06030C1001FP500, NCM=8533.21.20
R2 R3 R9 R10 R15 R16 R20 R21 R46 R47 R50 R51 R55 R56 R93: library part R0R_JUMPER_3/4W_1206, "RES 0.0 OHM 3/4W JUMP 1206", Partnumber=HCJ1206ZT0R00
R4 R11: library part R60.4k_1%_1/8W_0805, "RES 60.4k OHM 1/8W 1% 0805", Partnumber=ERJ-6ENF6042V, NCM=8533.21.20
R5 R12: library part R19.6k_1%_1/10W_0603, "RES 19.6k OHM 1/10W 1% 0603", Partnumber=ERJ-3EKF1962V, NCM=8533.21.20
R6 R13: library part R11.5k_1%_1/8W_0805, "RES 11.5k OHM 1/8W 1% 0805", Partnumber=AC0805FR-0711K5L, NCM=8533.21.20
R7 R14: library part R140k_1%_1/5W_0603, "RES 140k OHM 1/5W 1% 0603", Partnumber=ERJ-P03F1403V, NCM=8533.21.20
R17 R22 R52 R57: library part R10k_1%_1/8W_0805, "RES 10K OHM 1/8W 1%  0805", Partnumber=CRCW080510K0FKEA, NCM=8533.21.20
R19 R24 R54: library part R5.9K_1%_1/8W_0805, "RES 5K9 OHM 1/8W 1% 0805", Partnumber=71-CRCW0805-5.9K-E3, NCM=8533.21.20
R25 R26: library part R1.0k_1%_1/8W_0805, "RES 1.0K OHM 1/8W 1% 0805", Partnumber=ERJ-6ENF1001V, NCM=8533.21.20
R27: library part R1.65K_1%_1/10W_0805, "RES 1.65K OHM 1/10W 0.1% 0805", Partnumber=PCF0805R-1K65BT1, NCM=8533.21.20
R33 R42 R44: library part R150R_1%_1/10W_0603, "RES 150R OHM 1/10W 1% 0603", Partnumber=CRCW0603150RFKEA, NCM=8533.21.20
R35 R85: library part R100k_0.1%_1/10W_0805, "RES 100K OHM 1/10W 0.1% 0805", Partnumber=CPF-A-0805B100KE, NCM=8533.21.20
R36: library part R4.02k_0.1%_1/8W_0805, "RES 4.02k OHM 1/8W 0.1% 0805", Partnumber=ERA-6AEB4021V, NCM=8533.21.20
R38: library part R470R_1%_1/8W_0603, "RES 470R OHM 1/8W 1% 0603", Partnumber=MCT06030C4700FP500, NCM=8533.21.20
R45 R70: library part R300K_0.1%_1/10W_0603, "RES 300K OHM 1/10W 0.1% 0603", Partnumber=RG1608P-304-B-T5, NCM=8533.21.20
R59: library part R3.24k_1%_1/8W_0805, "RES 3.24k OHM 1/8W 1% 0805 SMD", Partnumber=CRCW08053K24FKEA, NCM=8533.21.20
R62: library part R47k_1%_1/8W_0603, "RES 47K OHM 1/8W 0.5% 0603", Partnumber=MCT0603MD4702DP500, NCM=8533.21.20
R63 R64: library part R4.7K_1%_1/8W_0603, "RES 4K7 OHM 1/8W 1% 0603", Partnumber=MCT06030C4701FP500, NCM=8533.21.20
R65 R66: library part R10k_1%_1/8W_0603, "RES 10K OHM 1/8W 1%  0603", Partnumber=MCT0603MC1002FP500, NCM=8533.21.20
R67 R68 R72 R75 R79 R83: library part R3.3k_0.1%_1/10W_0805, "RES 3k3 OHM 1/10W 0.1% 0805", Partnumber=CPF0805B3K3E1, NCM=8533.21.20
R69 R74 R81: library part R93.1K_1%_1/10W_0603, "RES 93.1K OHM 1/10W 1% 0603", Partnumber=CRCW060393K1FKEA, NCM=8533.21.20
R71 R73 R76 R82 R86: library part R100K_1%_1/10W_0603, "RES 100K OHM 1/10W 1% 0603", Partnumber=CRCW0603100KFKEA, NCM=8533.21.20
R_ESD: library part R1200k_1%_1/8W_0805, "RES 1200K OHM 1/8W 0.1% 0805", Partnumber=RG2012P-125-B-T5
RSense1: library part R0.01R_0.5%_0.5W_1206_4_terminal, "Current Sense Resistors - SMD 0.01ohm .5% 4 Terminal", Partnumber=LVK12R010DER, NCM=8533.21.20
Rsense3: library part R0.075R_1%_0.5W_1206, "Current Sense Resistors - SMD 1/2W 0.075 OHMS 1% 4 Terminal", Partnumber=LVK12R075FER, NCM=8533.21.20
SBW SW1 SW2: "Header, 6-Pin, Right Angle", Partnumber=53398-0671, LatestRevisionDate=17-Jul-2002, LatestRevisionNote="Re-released for DXP Platform.", Publisher="Altium Limited"
SYSTEM_ON: library part LED/R_0603, "SMD Red LED", Partnumber=LTST-C191KFKT, NCM=8541.40.21
U5: "24 bit ADC Differential Input, SPI, 28-pin TSSOP", Manufacturer="Texas Instruments", Operating Temperature="-40°C ~ 105°C", Package / Case="28-TSSOP (0.173\", 4.40mm Width)", Partnumber=ADS1248IPWR, Supplier Device Package=28-TSSOP, Supplier Part Number 1=296-24294-5-ND, Voltage - Supply, Analog="2.7 V ~ 5.25 V", Architecture=Sigma-Delta, Category="Integrated Circuits (ICs)", ComponentLink1Description=http://www.ti.com/lit/ds/symlink/ads1246.pdf, ComponentLink1URL=http://www.ti.com/lit/ds/symlink/ads1246.pdf, Configuration=MUX-PGA-ADC, Data Interface=SPI, Features="PGA, Temperature Sensor", Input Type="Differential, Single Ended", Manufacturer Part Number=ADS1248IPW, Number of A/D Converters=1, Number of Bits=24, Number of Inputs="4, 7", Packaging=Tube, Part_Number=ADS1248IPWR, Price=£7.51, Pricing 1="1=10.49, 10=9.535, 25=8.822, 50=8.3402, 100=8.0994, 250=7.38576, 500=6.91298, 750=6.58295, 1000=5.96079 (EUR)", Ratio - S/H:ADC=-, Reference Type="External, Internal", RoHS="RoHS Compliant", Sampling Rate (Per Second)=2k, Stock 1=1835, Supplier="RS Online", Supplier 1=Digi-Key, Supplier 2=Farnell, Supplier 3=Newark, Supplier_Link=http://uk.rs-online.com/web/p/general-purpose-adcs/7091921/?searchTerm=ads1248&relevancy-data=636F3D3226696E3D4931384E4B6E6F776E41734D504E266C753D656E266D6D3D6D61746368616C6C7061727469616C26706D3D5E5B5C707B4C7D5C707B4E647D2D2C2F255C2E5D2B2426706F3D313326736E3D592673743D4D414E5F504152545F4E554D4245522677633D424F5448267573743D6164733132343826, Supplier_Part_Number=709-1921, Supplier Part Number 2=1735557, Supplier Part Number 3=05R0320, Voltage - Supply, Digital="2.7 V ~ 5.25 V"
U6: "MOSFET 2N-CH 20V 9.4A 8SOIC", Partnumber=FDS6898AZ
U7: "IC FUEL GAUGE LI+ 2CELL 14-TDFN", Partnumber=DS2775G+
U12: "Imported", Alternate PartNumber=MSP430F6659IPZ, Manufacturer="Texas Instruments", CompType=IC, MountType=SMT, PackageReference=PZ0100A, Partnumber=MSP430F6659IPZR, PIN_COUNT=100, RefDes=RefDes, RoHS=Y, Type=DEV
U13: library part REF5025A-Q1, "REF5025A-Q1", Partnumber=REF5025AQDRQ1
U28: "IC SIGNAL BUFFER I2C 8SOIC", Partnumber=TCA4311ADR
UART: library part "Header 3H", "Header, 3-Pin, Right Angle", Partnumber=4-103327-5, LatestRevisionDate=17-Jul-2002, LatestRevisionNote="Re-released for DXP Platform.", Publisher="Altium Limited"
Y1: library part XTAL_32MHz_SMD_4-SMD, "32MHz ±10ppm Crystal 10pF 60 Ohm -40°C ~ 125°C", Partnumber=ABM8X-102-32.000MHZ-T, NCM=8541.60.10
Y2: library part Xtal_32.768kHz_12pF_2_SMD, "32.768kHz ±20ppm Crystal 12.5pF 70 kOhm -40°C ~ 125°C", Partnumber=ECS-.327-12.5-34S-TR, NCM=8541.60.10
U2 U14: Partnumber=TPS54540QDDARQ1
U3: Partnumber=TPS5410QDRQ1
U4 U9: Partnumber=TPS5420QDRQ1
U10: Partnumber=TPS5430QDDARQ1
U15 U16 U18 U20 U22 U25 U27: Partnumber=MAX9934TAUA+
U17 U19 U21 U24 U26: Partnumber=TLV341AIDBVR

## Free pads (board coordinates)
  round 3.9 hole 3.5: 0(3.125,4.879) 0(15.339,12.125) 0(73.302,78.267) 0(88.791,81.058) 3(3.125,84.904)
  round 3.7 hole 3.5: 0(15.336,78.276) 0(73.302,12.125)
  round 3.5 hole 3.2: 0(44.321,45.207)
  round 3.9 hole 3.5 mask+1.524: 1(88.8,7.379)
  round 2 hole 1: 4(7.126,87.396) 4(84.656,81.726) 5(7.256,8.096)

## Via types
v1: diameter 0.635, hole 0.254, Top Layer to Bottom Layer, tented both sides, 254 vias
v2: diameter 1.27, hole 0.711, Top Layer to Bottom Layer, tented both sides, 53 vias
v3: diameter 1.27, hole 0.711, Top Layer to Bottom Layer, 27 vias
v4: diameter 0.762, hole 0.381, Top Layer to Bottom Layer, tented both sides, 9 vias

## Nets (pads, with @x,y where several pads share a name; then routed paths per layer and width w, separated by ;. In a path a pad name is that pad's centre, name@x,y a point inside that pad or via, vN(x,y) a via of type N, cw(c..) or ccw(c..) an arc to the next point about the centre after c; other vN are vias at no path point)
1-WIRE: R42.2 R63.2 U12.69 | length 32.4
  Signal Layer 2 w0.254: v1(42.512,31.686) 59.166,31.686 v1(59.712,31.14)
  Bottom Layer w0.254: R63.2@39.743,40.646 39.743,39.256 42.516,36.483 v1(42.512,31.686) ; v1(59.712,31.14) 59.981,31.14 62.396,33.555 U12.69@62.396,34.741
3V3_DEPLOYMENT_ANT: PC104.H2-35 PC104.H2-36 R21.1 | length 43.8
  Top Layer w0.254: PC104.H2-35@86.206,32.776 PC104.H2-35@86.256,32.776
  Top Layer w0.635: R21.1@76.696,67.071 77.149,67.071 79.719,64.501 84.276,64.501 85.006,63.772 85.006,33.976 PC104.H2-35@86.206,32.776 ; PC104.H2-35@86.256,32.776 PC104.H2-36@88.796,32.776
3V3_EPS_BEACON: 3V3EPS.1 C50.1 FB1.1 J_V1.2 J_V3.2 PC104.H2-27 PC104.H2-28 Rsense3.2 | length 153.6
  Signal Layer 1 w0.508: v2(51.19,56.97) 51.19,56.694 53.987,53.898 53.987,34.886 52.156,33.056 v2(51.866,33.056)
  Signal Layer 1 w0.635: v2(79.326,56.866) 79.54,56.652 79.54,45.052 80.411,44.181 85.011,44.181 PC104.H2-27@86.256,42.936 PC104.H2-28@88.796,42.936
  Signal Layer 2 w0.254: v1(75.624,29.083) 75.681,29.026 77.884,29.026 89.446,29.026 90.686,30.266 90.686,41.046 PC104.H2-28@88.796,42.936
  Signal Layer 2 w0.635: v2(51.19,56.97) 51.37,57.15 79.042,57.15 v2(79.326,56.866)
  Signal Layer 2 w0.762: 3V3EPS.1@24.996,57.186 50.974,57.186 v2(51.19,56.97)
  Bottom Layer w0.254: J_V1.2@75.567,22.49 75.621,22.544 75.621,29.08 v1(75.624,29.083)
  Bottom Layer w0.508: FB1.1@47.916,30.671 47.876,30.711 C50.1@47.876,32.716 47.876,33.236 48.486,32.626 51.366,32.626 ; J_V3.2@49.356,54.642 51.19,56.476 v2(51.19,56.97)
  Bottom Layer w0.762: Rsense3.2@19.606,59.516 21.796,59.516 3V3EPS.1@24.331,56.981
3V3_HEATER: C32.1 C33.1 J_V1.1 U5.1 | length 10.8
  Bottom Layer w0.254: U5.1@65.836,26.496 69.786,26.496 C33.1@69.926,26.636 71.276,26.636 73.816,24.096 73.816,22.771 J_V1.1@73.535,22.49